# Altium PCB PCB-MB202-00.PcbDoc (part 1 of 7) (continued)
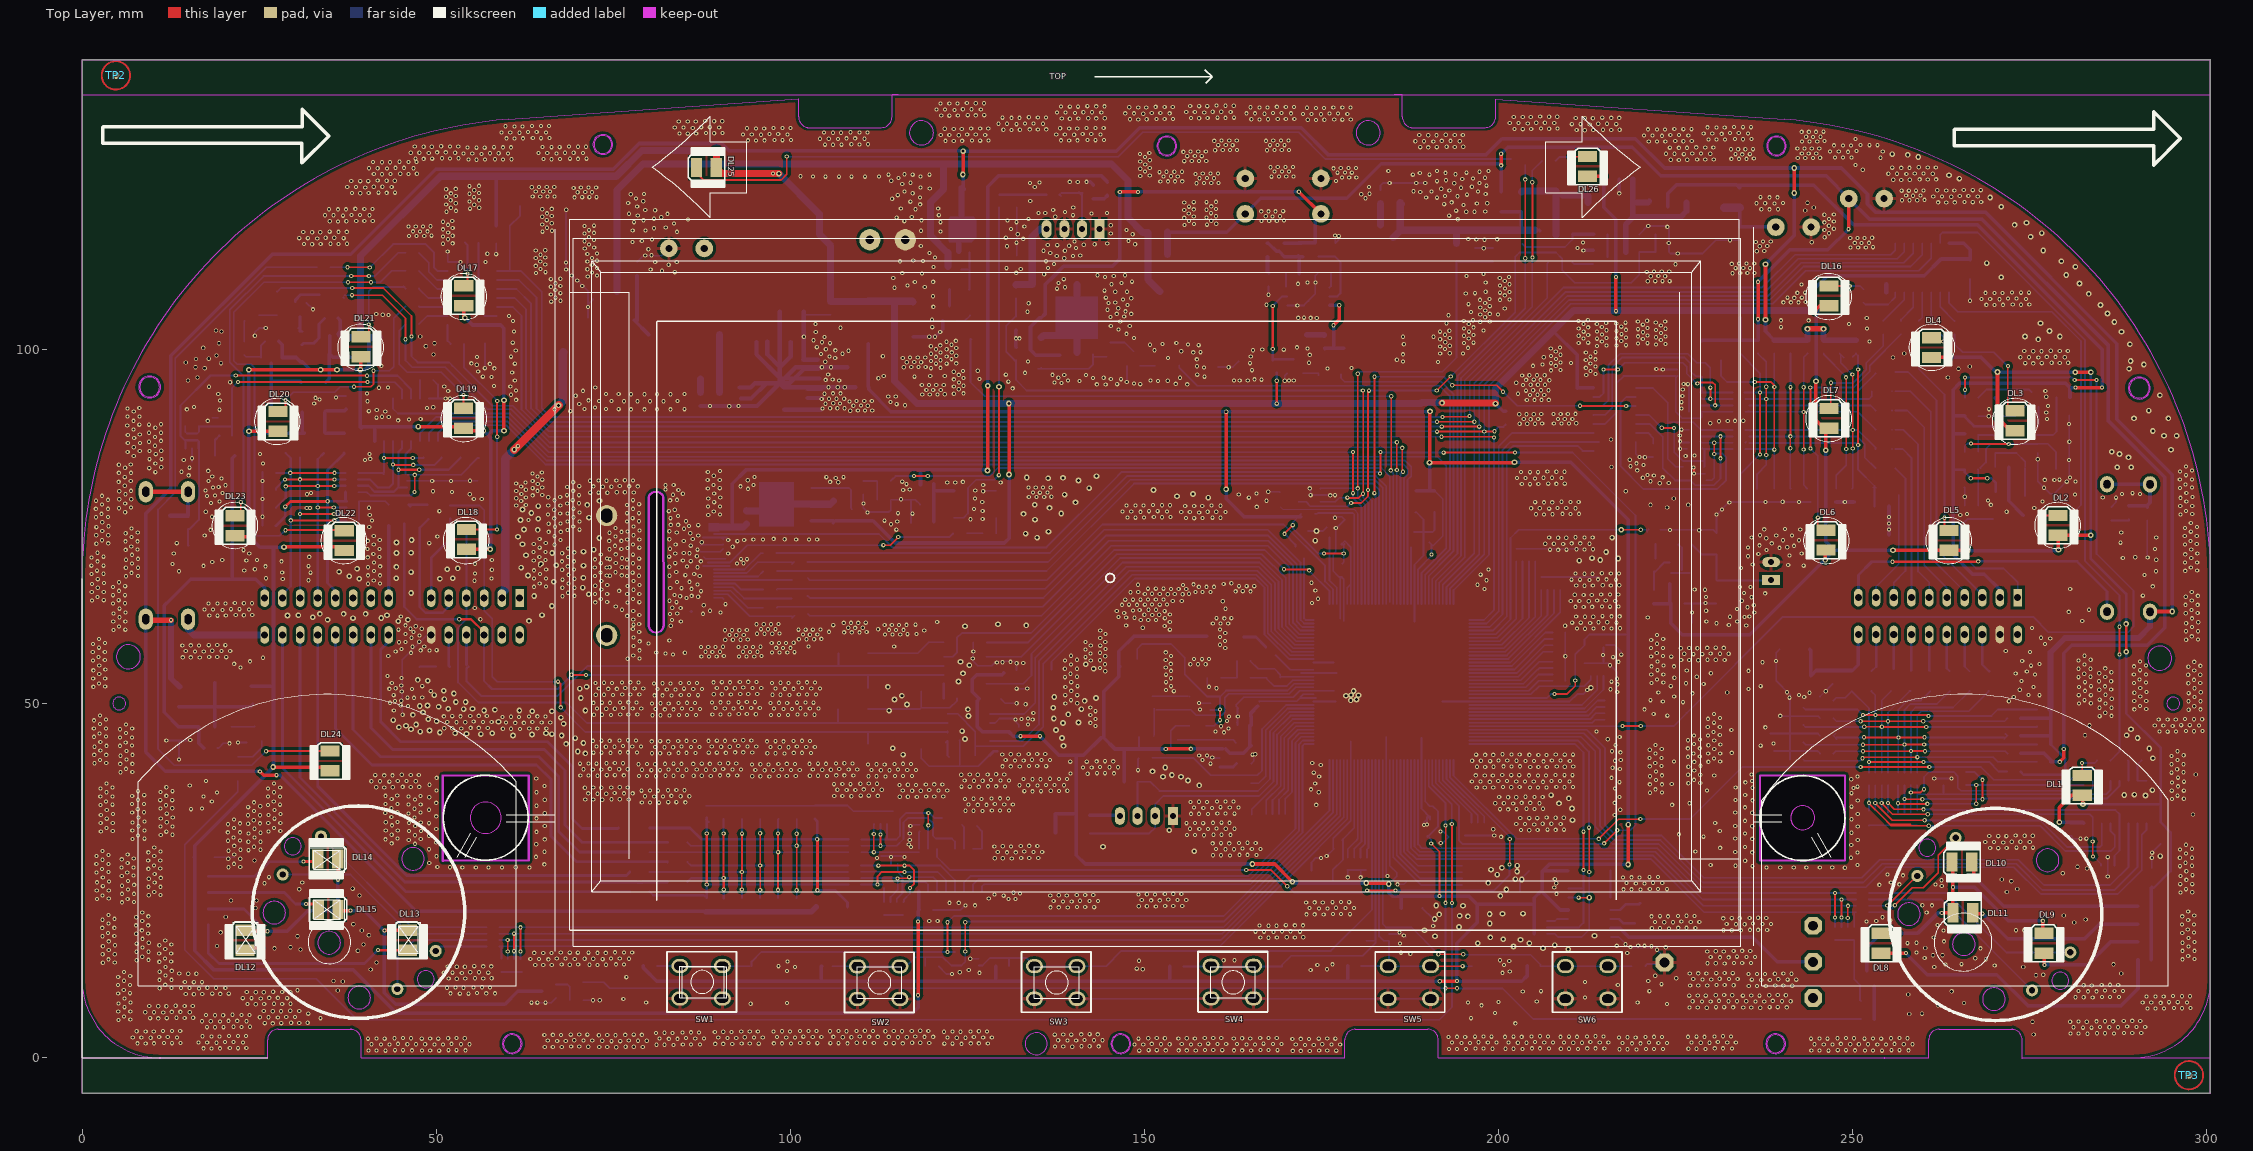
[diagram p0: Top Layer view]
## Components (designator, comment, footprint, x,y, rotation, side; value= is the part's Value field where it differs from the comment) (continued)
R10 "10K" cr0805 165.189,32.461 r90 bottom
R11 "10K" CR0805#1 79.286,13.005 r0 bottom
R12 "1" CR0805#1 48.908,77.978 r270 bottom
R13 "1" CR0805#1 50,55.27 r0 bottom
R14 "10K" cr0805 163.208,38.786 r0 bottom
R15 "10K" CR0805#1 104.432,12.929 r0 bottom
R16 "4.7K" CR1206 122.506,108.516 r0 bottom
R17 "0" CR1206 13.754,49.606 r90 bottom
R18 "472/NC" CR1206 24.143,49.657 r90 bottom
R19 "120" CR1206 34.176,88.24 r270 bottom
R20 "120" CR1206 31.407,88.214 r270 bottom
R21 "10K" cr0805 136.919,54.864 r270 bottom
R22 "1E-2W" R2512 212.687,120.802 r0 bottom
R23 "4.7K" CR0805#1 149.111,39.014 r180 bottom
R25 "1E-2W" R2512 140.526,109.22 r180 bottom
R27 "10K" CR0805#1 131.89,107.29 r90 bottom
R30 "120" CR1206 28.766,88.214 r270 bottom
R31 "10K" CR0805#1 205.982,12.979 r180 bottom
R33 "4.7K" CR0805#1 163.208,44.475 r0 bottom
R34 "4.7K" CR0805#1 156.807,46.903 r0 bottom
R35 "4.7K" CR0805#1 163.217,41.553 r0 bottom
R37 "4.7K" CR0805#1 151.143,42.316 r180 bottom
R40 "302/NC" CR0805#1 19.088,43.764 r180 bottom
R42 "10K" CR0805#1 180.632,12.979 r180 bottom
R43 "4.7K" CR0805#1 142.329,31.699 r180 bottom
R44 "47K" CR0805#1 234.176,99.492 r90 bottom
R45 "4.7K" CR0805#1 131.89,102.768 r90 bottom
R49 "NC" CR0805#1 201.054,91.338 r270 bottom
R51 "47K" CR0805#1 100.859,22.536 r270 bottom
R52 "47K" CR0805#1 98.301,22.536 r270 bottom
R53 "201" CR0805#1 167.17,58.039 r315 bottom
R54 "4.7K" CR0805#1 165.007,56.053 r180 bottom
R56 "10K" CR0805#1 129.02,12.954 r0 bottom
R57 "302" CR0805#1 27.775,101.194 r180 bottom
R58 "332" CR0805#1 149.267,45.313 r0 bottom
R59 "10K" CR1206 77.356,23.47 r0 bottom
R60 "10K" CR1206 82.69,24.867 r0 bottom
R61 "10K" CR1206 77.356,26.264 r0 bottom
R62 "0/NC" CR1206 203.285,119.518 r90 bottom
R63 "10K" CR1206 82.69,27.661 r0 bottom
R64 "10K" CR1206 77.356,29.058 r0 bottom
R65 "10K" CR1206 82.69,30.455 r0 bottom
R66 "120" CR0805#1 51.981,78.029 r270 bottom
R67 "4.7K" CR0805#1 224.119,113.815 r180 bottom
R68 "102" CR2010 75.781,32.487 r0 bottom
R69 "4.7K" CR0805#1 60.389,117.602 r180 bottom
R71 "47K" CR0805#1 236.7,99.471 r90 bottom
R72 "47K" CR0805#1 93.185,22.536 r270 bottom
R73 "10K" CR0805#1 155.537,12.903 r180 bottom
R75 "4.7K" CR0805#1 251.247,5.487 r0 bottom
R76 "4.7K" CR0805#1 70.755,10.686 r180 bottom
R77 "47K" CR0805#1 90.627,22.536 r270 bottom
R78 "4.7K" CR0805#1 253.137,8.017 r180 bottom
R79 "4.7K" CR0805#1 68.875,8.136 r0 bottom
R80 "241" R-3W#1 9.005,79.959 r270 bottom
R81 "302" CR0805#1 36.157,104.445 r180 bottom
R82 "47K" CR0805#1 88.069,22.516 r270 bottom
R83 "303" CR0805#1 14.974,76.581 r270 bottom
R84 "271" CR0805#1 31.052,100.711 r90 bottom
R85 "241" R-3W#1 14.974,61.951 r90 bottom
R86 "NC" CR1206 38.977,101.727 r270 bottom
R87 "10K" CR0805#1 47.714,95.631 r0 bottom
R88 "10K" CR0805#1 222.009,86.944 r270 bottom
R89 "10K" CR0805#1 288.962,42 r0 bottom
R90 "10K" CR0805#1 124.448,32.766 r0 bottom
R91 "47K" CR0805#1 246.114,99.466 r90 bottom
R92 "47K" CR0805#1 243.685,99.471 r90 bottom
R93 "10K" CR0805#1 272.072,93.243 r180 bottom
R94 "47K" CR0805#1 248.323,99.466 r90 bottom
R95 "4.7K" CR0805#1 14.999,70.485 r90 bottom
R96 "4.7K" CR0805#1 267.831,93.218 r180 bottom
R98 "47K" CR0805#1 280.759,93.315 r180 bottom
R99 "27K" CR0805#1 267.799,83.085 r180 bottom
R100 "4.7K" CR0805#1 278.809,90.805 r0 bottom
R101 "15K" CR0805#1 267.805,85.573 r180 bottom
R102 "10K" CR0805#1 203.391,114.986 r90 bottom
R103 "6.8K" CR0805#1 267.799,77.995 r180 bottom
R104 "10K" CR0805#1 219.929,113.805 r180 bottom
R105 "0" CR0805#1 213.424,116.307 r0 bottom
R106 "39K" CR0805#1 280.669,83.185 r180 bottom
R107 "10K" CR0805#1 265.926,88.062 r0 bottom
R108 "102" CR2010 108.09,21.311 r180 bottom
R109 "101" R-3W#2 292.062,81.001 r270 bottom
R110 "4.7K" CR0805#1 124.196,111.356 r180 bottom
R111 "101" R-3W#2 285.992,63.017 r90 bottom
R112 "47K" CR0805#1 250.66,99.466 r90 bottom
R113 "47K" CR0805#1 238.986,99.471 r90 bottom
R114 "150" CR0805#1 227.368,72.492 r180 bottom
R115 "4.7K" CR0805#1 221.984,64.16 r90 bottom
R116 "270" CR0805#1 221.984,70.561 r270 bottom
R119 "473/NC" CR0805#1 271.92,47.955 r0 bottom
R120 "473/NC" CR0805#1 276.111,46.787 r0 bottom
R121 "473/NC" CR0805#1 276.111,49.225 r0 bottom
R122 "473/NC" CR0805#1 271.869,40.437 r0 bottom
R123 "47K" CR0805#1 276.111,41.834 r0 bottom
R124 "47K" CR0805#1 271.92,43.002 r0 bottom
R125 "47K" CR0805#1 276.111,44.298 r0 bottom
R126 "47K" CR0805#1 271.92,45.491 r0 bottom
R127 "303" CR0805#1 289.116,77.8 r270 bottom
R128 "271" CR0805#1 22.898,101.168 r270 bottom
R129 "15K" CR0805#1 270.218,83.414 r0 bottom
R130 "10K" CR0805#1 168.339,96.774 r90 bottom
R132 "NC" CR1206 30.925,98.222 r270 bottom
R133 "NC" CR1206 106.109,75.59 r90 bottom
R134 "10K" CR0805#1 108.725,75.59 r90 bottom
R135 "0" CR0805#1 114.211,81.483 r180 bottom
R136 "NC" CR0805#1 114.211,78.816 r180 bottom
R137 "10K" CR0805#1 270.244,79.959 r0 bottom
R138 "0" CR0805#1 100.606,62.43 r0 bottom
R142 "10K" cr0805 172.657,70.841 r135 bottom
R143 "303" CR0805#1 19.368,87.859 r0 bottom
R144 "4.7K" CR0805#1 19.342,90.399 r0 bottom
R146 "10K" CR1206 21.222,85.065 r180 bottom
R148 "0" CR0805#1 96.218,63.671 r0 bottom
R149 "0" CR0805#1 100.566,64.963 r0 bottom
R150 "39K" CR0805#1 276.339,83.405 r180 bottom
R151 "120" CR0805#1 43.599,75.463 r0 bottom
R152 "0" CR0805#1 96.218,66.215 r0 bottom
R153 "0" CR0805#1 100.576,67.496 r0 bottom
R154 "0" CR0805#1 96.196,68.759 r0 bottom
R155 "0" CR0805#1 100.556,70.029 r0 bottom
R156 "0" CR0805#1 96.176,71.303 r0 bottom
R160 "10K" CR0805#1 194.12,112.497 r90 bottom
R161 "4.7K" CR0805#1 199.276,114.376 r270 bottom
R162 "0/NC" CR0805#1 175.425,100.203 r90 bottom
R163 "301K" CR0805#1 174.638,113.157 r90 bottom
R166 "47K" CR0805#1 241.272,99.471 r90 bottom
R168 "47K" CR0805#1 95.743,22.536 r270 bottom
R169 "0/NC" CR1206 135.471,104.521 r270 bottom
R171 "10K" CR0805#1 135.42,97.358 r90 bottom
R173 "4.7K" CR0805#1 286.591,77.794 r270 bottom
R174 "0" CR0805#1 145.225,99.136 r90 bottom
R176 "0/NC" CR1206 200.419,122.301 r270 bottom
R177 "4R7" CR1206 221.171,120.802 r0 bottom
R178 "0/NC" CR1206 234.125,120.066 r90 bottom
R179 "22K" CR0805#1 176.975,115.062 r270 bottom
R182 "10K" CR1206 256.832,96.876 r180 bottom
R183 "10K" CR1206 256.258,94.154 r180 bottom
R186 "10K" CR1206 256.258,91.432 r180 bottom
R187 "10K" CR1206 256.258,88.711 r180 bottom
R190 "10K" CR1206 256.258,85.989 r180 bottom
R191 "10K" CR1206 256.258,83.267 r180 bottom
R194 "301K" CR0805#1 172.25,115.062 r270 bottom
R195 "0" CR0805#1 171.931,110.754 r180 bottom
R196 "21.5K" CR0805#1 167.424,115.062 r270 bottom
R197 "0" CR0805#1 167.602,110.871 r270 bottom
R198 "10K" CR1206 256.258,80.546 r180 bottom
R199 "10K" CR1206 231.483,101.295 r270 bottom
R201 "10K" CR1206 249.949,54.6 r270 bottom
R203 "10K" CR1206 252.718,54.6 r270 bottom
R205 "10K" CR1206 255.486,54.6 r270 bottom
R206 "10K" CR1206 258.255,54.6 r270 bottom
R207 "10K" CR1206 261.023,54.6 r270 bottom
R208 "10K" CR1206 263.792,54.6 r270 bottom
R209 "10K" CR1206 266.561,54.6 r270 bottom
R210 "0" CR0805#1 138.087,121.895 r180 bottom
R211 "75" CR0805#1 132.017,122.047 r270 bottom
R214 "10K" CR1206 269.329,54.6 r270 bottom
R233 "75" CR0805#1 127.191,74.092 r0 bottom
RL1 "201" CR0805#1 292.265,13.868 r180 bottom
RL2 "201" CR0805#1 292.218,16.372 r180 bottom
RL3 "201" CR0805#1 292.218,21.405 r180 bottom
RL4 "201" CR0805#1 292.218,18.889 r180 bottom
RL5 "201" CR0805#1 15.919,21.042 r0 bottom
RL6 "201" CR0805#1 15.919,18.752 r0 bottom
RL7 "201" CR0805#1 15.919,25.662 r0 bottom
RL8 "201" CR0805#1 15.919,23.342 r0 bottom
RL9 "200" CR0805#1 206.21,126.721 r0 bottom
RL23 "200" CR0805#1 280.835,76.606 r180 bottom
RL24 "200" CR0805#1 264.452,104.064 r270 bottom
RL25 "200" CR0805#1 261.927,104.089 r270 bottom
RL26 "200" CR0805#1 259.409,104.089 r270 bottom
RL27 "200" CR0805#1 256.89,104.089 r270 bottom
RL28 "200" CR0805#1 254.372,104.089 r270 bottom
RL29 "200" CR0805#1 251.6,106.655 r90 bottom
RL30 "200" CR0805#1 286.474,41.986 r180 bottom
RL31 "200" CR0805#1 35.09,111.658 r180 bottom
RL32 "200" CR0805#1 47.578,113.705 r180 bottom
RL33 "200" CR0805#1 47.578,111.179 r180 bottom
RL34 "200" CR0805#1 47.578,108.654 r180 bottom
RL35 "200" CR0805#1 47.578,106.128 r180 bottom
RL36 "200" CR0805#1 47.578,103.603 r180 bottom
RL37 "200" CR0805#1 52.058,100.863 r0 bottom
RL38 "200" CR0805#1 56.122,115.037 r180 bottom
RL68 "200" CR0805#1 203.873,126.695 r180 bottom
RP1 "472*4" R4 216.802,50.47 r180 bottom
RP2 "472*4" R4 212.179,55.728 r270 bottom
RP3 "472*4" R4 206.902,20.225 r180 bottom
RP4 "472*4" R4 198.031,31.394 r90 bottom
RP5 "472*4" R4 259.195,33.122 r90 bottom
RP6 "303*4" R4 234.915,93.956 r180 bottom
RP7 "472*4" R4 181.471,26.518 r90 bottom
RP8 "303*4" R4 234.915,88.678 r180 bottom
RP9 "472*4" R4 226.965,91.296 r0 bottom
RP10 "472*4" R4 226.945,86.028 r0 bottom
RP11 "10*4" R4 58.966,18.44 r180 bottom
RP12 "10*4" R4 250.533,20.574 r0 bottom
RP13 "472*4" R4 196.736,27.127 r180 bottom
RP14 "472*4" R4 209.512,55.956 r180 bottom
RP15 "303*4" R4 252.363,40.308 r270 bottom
RP16 "472*4" R4 169.939,32.614 r90 bottom
RP17 "303*4" R4 256.503,40.308 r270 bottom
RP18 "472*4" R4 255.08,33.147 r90 bottom
RP21 "303*4" R4 110.02,27.178 r180 bottom
RP22 "303*4" R4 108.268,29.058 r0 bottom
RP23 "472*4" R4 113.272,21.996 r270 bottom
RP24 "472*4" R4 114.567,33.02 r90 bottom
RP25 "303*4" R4 39.002,82.601 r180 bottom
RP26 "103*4" R4 37.326,75.921 r0 bottom
RP27 "472*4" R4 209.487,60.071 r180 bottom
RP28 "472*4" R4 202.553,71.907 r270 bottom
RP30 "472*4" R4 206.083,67.92 r270 bottom
SW1 "SW" Switch-1 84.443,12.986 r180 top
SW2 "SW" Switch-1 109.512,12.929 r180 top
SW3 "SW" Switch-1 134.506,12.954 r180 top
SW4 "SW" Switch-1 159.449,13.005 r180 top
SW5 "SW" Switch-1 184.468,12.954 r180 top
SW6 "SW" Switch-1 209.487,12.954 r180 top
TP1 "TP" MARK 297.56,-2.45 r180 bottom
TP2 "TP" MARK 4.779,138.761 r0 top
TP3 "TP" MARK 297.56,-2.45 r0 top
TP4 "TP" MARK 4.779,138.761 r180 bottom
TP62 "" TP 197.015,116.886 r180 bottom
U1 "TJA1042T+118" SO-8 128.211,48.571 r180 bottom
U2 "TJA1042T+118" SO-8 127.689,56.638 r180 bottom
U3 "78M09/NC" DPAK 226.606,120.802 r90 bottom
U4 "LM2576D2T-005G" SOT-263-5 95.085,105.943 r90 bottom
U5 "HC4051" SO-16#1 41.364,93.116 r270 bottom
U6 "IMP706ESA/T" SO-8 161.097,44.901 r180 bottom
U7 "M41T00" SO-8 215.912,20.885 r180 bottom
U8 "AT24C02" SO-8 215.882,26.445 r180 bottom
U10 "MC9S12XHZ256" LQFP-144 193.687,42.093 r90 bottom locked
U11 "TC1047A" SOT23 172.149,76.454 r0 bottom
U12 "BTS4140" SOT-223#2 21.064,46.752 r180 bottom
U13 "DSO751S" SMD-CYC 158.337,63.633 r0 bottom
U14 "74HC595D" SO-16#2 259.245,111.582 r180 bottom
U17 "HC4051" SO-16#1 219.445,94.616 r180 bottom
U18 "HC4051" SO-16#1 282.689,39.144 r270 bottom
U19 "LM2904" SO-8 276.209,89.235 r180 bottom
U20 "HC4051" SO-16#1 118.199,29.54 r270 bottom
U21 "FMS6143" SO-8 123.127,76.276 r0 bottom
U22 "74HC595D" SO-16#2 55.106,107.95 r90 bottom
U300 "MP24943" SOIC8E 173.2,106.912 r0 bottom
UART "CON4" "DIP 1X4 2.5mm" 154.064,34.163 r180 bottom (schematic designator JV_COMM)
YC2 "32.768KHz" "SM CYC NX3215SA" 219.272,18.855 r90 bottom

## Footprints (in the part's own frame and the unit in brackets; to place one, negate y for a bottom-side part, rotate by r counter-clockwise, add the part's x,y. Pads: shape width x height; smd on the part's side, far side on the other; paste and mask are expansions set on the pad)
10uF/25V [mm]
  rect 1.6x2.6 smd: 1(0,0) 2(3,0)
  silkscreen extent -1.92,-1.8 4.47,1.83
"AMP DIP20" [mm]
  rect 1.2x2.5 hole 1: 1(0,0)
  oval 1.2x2.5 hole 1: 2(0,-5.2) 3(2.5,0) 4(2.5,-5.2) 5(5,0) 6(5,-5.2) 7(7.5,0) 8(7.5,-5.2) 9(10,0) 10(10,-5.2) 11(12.5,0) 12(12.5,-5.2) 13(15,0) 14(15,-5.2) 15(17.5,0) 16(17.5,-5.2) 17(20,0) 18(20,-5.2) 19(22.5,0) 20(22.5,-5.2)
  silkscreen extent -7.5,-8.15 29.96,8.85, body extent -7.52,-8.17 30,8.85, height 19.2
"AMP DIP28" [mm]
  rect 1.2x2.5 hole 1: 1(0.229,-8.85)
  oval 1.2x2.5 hole 1: 2(0.229,-14.05) 3(2.729,-8.85) 4(2.729,-14.05) 5(5.229,-8.85) 6(5.229,-14.05) 7(7.729,-8.85) 8(7.729,-14.05) 9(10.229,-8.85) 10(10.229,-14.05) 11(12.729,-8.85) 12(12.729,-14.05) 13(18.729,-8.85) 14(18.729,-14.05) 15(21.229,-8.85) 16(21.229,-14.05) 17(23.729,-8.85) 18(23.729,-14.05) 19(26.229,-8.85) 20(26.229,-14.05) 21(28.729,-8.85) 22(28.729,-14.05) 23(31.229,-8.85) 24(31.229,-14.05) 25(33.729,-8.85) 26(33.729,-14.05) 27(36.229,-8.85) 28(36.229,-14.05)
  silkscreen extent -7.27,-17 43.73,0, body extent -7.29,-17.02 43.76,0.01, height 19.2
"Battery 3" [mm]
  oct 2.5x2.5 hole 1.4: 1(0,0) 2(21,-0.1) 3(0,5.1) 4(0,-5.1)
  silkscreen extent -3.88,-10.55 21,10.45, body extent -1.51,-10.25 22.46,10.32, height 8.6
C4 [mm]
  rect 1.1x0.5 smd: 1(0,0) 2(0,-0.9) 3(0,-1.8) 4(0,-2.7) 5(1.8,-2.7) 6(1.8,-1.8) 7(1.8,-0.9) 8(1.8,0)
  silkscreen extent -0.95,-3.2 2.65,0.7, body extent -0.27,-3.09 2.05,0.61, height 0.9
CE1206 [mm]
  rect 1.8x1.6 smd: 1(0,0) 2(3,0)
  silkscreen extent -1.7,-1.27 4.5,1.27, body extent -0.43,-0.8 3.4,0.8, height 1.8
CR0805#1 [mm]
  rect 1.3x1.3 smd: 1(0,0) 2(1.9,0)
  silkscreen extent -1.05,-1.15 2.95,1.15, body extent -0.18,-0.75 2.1,0.75, height 1
CR0805#2 [mm]
  rect 1.3x1.3 smd: 1(0,0) 2(2.1,0)
  silkscreen extent -1.05,-1.15 3.15,1.15, body extent -0.08,-0.75 2.2,0.75, height 1
cr0805 [mm]
  rect 1.3x1.3 smd: 1(0,0) 2(1.9,0)
  silkscreen extent -1.05,-1.15 2.95,1.15, body extent -0.18,-0.75 2.1,0.75, height 1
CR1206 [mm]
  rect 1.6x1.8 smd: 1(0,0) 2(2.8,0)
  silkscreen extent -1.2,-1.3 4,1.3, body extent -0.81,-1.23 3.61,1.22, height 1.4
CR2010 [mm]
  rect 1.8x2.7 smd: 1(0,0) 2(4.4,0)
  silkscreen extent -1.3,-1.75 5.7,1.75, body extent -0.18,-1.35 4.57,1.35, height 1.4
D-17 [mm]
  round 3 hole 1.6 slot 2 at 0 deg: 1(8.468,-0.065) 2(-8.442,-0.065)
  silkscreen extent -9.06,-4.51 9.08,4.36
"DIP 1X2 2.5mm" [mm]
  rect 1.4x2.5 hole 0.85: 1(0,0)
  oval 1.4x2.5 hole 0.85: 2(2.5,0)
  silkscreen extent -2.5,-2.35 5,3.35, body extent -2.62,-2.46 5.11,3.45, height 7
"DIP 1X4 2.5mm" [mm]
  rect 1.4x2.5 hole 0.85: 1(0,0)
  oval 1.4x2.5 hole 0.85: 2(2.5,0) 3(5,0) 4(7.5,0)
  silkscreen extent -2.5,-2.35 10,3.35, body extent -2.62,-2.46 10,3.45, height 7
"DIP 2X3 2.54mm" [mm]
  rrect50% 5x1.6 smd: 1(-1.75,0) 2(-1.75,-2.5) 3(-1.75,-5) 4(4.25,-5) 5(4.25,-2.5) 6(4.25,0)
  silkscreen extent -1.37,-6.1 3.89,1.3, body extent -1.2,-6.1 3.7,1.3, height 8.5
DPAK [mm]
  rect 3x1.6 smd: 1(0,0) 3(0,4.6)
  rect 6.2x5.8 smd: 2(-7.18,2.3)
  silkscreen extent -11.18,-1.12 -3.2,5.78, body extent -10.19,-0.94 -0.28,5.59, height 2.2
FPC-22P [mm]
  rect 0.25x1.6 smd: 1(-5.25,1.638) 10(-0.75,1.638) 20(4.25,1.638)
  oval 0.25x1.6 smd: 2(-4.75,1.638) 3(-4.25,1.638) 4(-3.75,1.638) 5(-3.25,1.638) 6(-2.75,1.638) 7(-2.25,1.638) 8(-1.75,1.638) 9(-1.25,1.638) 11(-0.25,1.638) 12(0.25,1.638) 13(0.75,1.638) 14(1.25,1.638) 15(1.75,1.638) 16(2.25,1.638) 17(2.75,1.638) 18(3.25,1.638) 19(3.75,1.638) 21(4.75,1.638) 22(5.25,1.638)
  rect 2x1.45 smd: 23(7.175,-1.637) 24(-7.175,-1.637)
  silkscreen extent -7.75,-5.11 7.75,1.94, body extent -7.96,-2.14 5.38,1.66, height 1
Ind-R13-7-100 [mm]
  rrect50% 6x12.7 smd: 1(0,0) 2(10,0)
  silkscreen extent -1.5,-6.5 11.5,6.5, body extent -1.57,-6.63 11.56,6.62, height 7
LED1210 [mm]
  rect 1.6x2.7 smd: 1(2.8,0) 2(0,0)
  silkscreen extent -1.2,-2.91 4,2.9, body extent -0.32,-1.65 3.14,1.65, height 0.65
LQFP-144 [mm]
  rect 2x0.25 smd: 1(0,0) 2(0,-0.5) 3(0,-1) 4(0,-1.5) 5(0,-2) 6(0,-2.5) 7(0,-3) 8(0,-3.5) 9(0,-4) 10(0,-4.5) 11(0,-5) 12(0,-5.5) 13(0,-6) 14(0,-6.5) 15(0,-7) 16(0,-7.5) 17(0,-8) 18(0,-8.5) 19(0,-9) 20(0,-9.5) 21(0,-10) 22(0,-10.5) 23(0,-11) 24(0,-11.5) 25(0,-12) 26(0,-12.5) 27(0,-13) 28(0,-13.5) 29(0,-14) 30(0,-14.5) 31(0,-15) 32(0,-15.5) 33(0,-16) 34(0,-16.5) 35(0,-17) 36(0,-17.5) 73(22,-17.5) 74(22,-17) 75(22,-16.5) 76(22,-16) 77(22,-15.5) 78(22,-15) 79(22,-14.5) 80(22,-14) 81(22,-13.5) 82(22,-13) 83(22,-12.5) 84(22,-12) 85(22,-11.5) 86(22,-11) 87(22,-10.5) 88(22,-10) 89(22,-9.5) 90(22,-9) 91(22,-8.5) 92(22,-8) 93(22,-7.5) 94(22,-7) 95(22,-6.5) 96(22,-6) 97(22,-5.5) 98(22,-5) 99(22,-4.5) 100(22,-4) 101(22,-3.5) 102(22,-3) 103(22,-2.5) 104(22,-2) 105(22,-1.5) 106(22,-1) 107(22,-0.5) 108(22,0)
  rect 0.25x2 smd: 37(2.25,-19.75) 38(2.75,-19.75) 39(3.25,-19.75) 40(3.75,-19.75) 41(4.25,-19.75) 42(4.75,-19.75) 43(5.25,-19.75) 44(5.75,-19.75) 45(6.25,-19.75) 46(6.75,-19.75) 47(7.25,-19.75) 48(7.75,-19.75) 49(8.25,-19.75) 50(8.75,-19.75) 51(9.25,-19.75) 52(9.75,-19.75) 53(10.25,-19.75) 54(10.75,-19.75) 55(11.25,-19.75) 56(11.75,-19.75) 57(12.25,-19.75) 58(12.75,-19.75) 59(13.25,-19.75) 60(13.75,-19.75) 61(14.25,-19.75) 62(14.75,-19.75) 63(15.25,-19.75) 64(15.75,-19.75) 65(16.25,-19.75) 66(16.75,-19.75) 67(17.25,-19.75) 68(17.75,-19.75) 69(18.25,-19.75) 70(18.75,-19.75) 71(19.25,-19.75) 72(19.75,-19.75) 109(19.75,2.25) 110(19.25,2.25) 111(18.75,2.25) 112(18.25,2.25) 113(17.75,2.25) 114(17.25,2.25) 115(16.75,2.25) 116(16.25,2.25) 117(15.75,2.25) 118(15.25,2.25) 119(14.75,2.25) 120(14.25,2.25) 121(13.75,2.25) 122(13.25,2.25) 123(12.75,2.25) 124(12.25,2.25) 125(11.75,2.25) 126(11.25,2.25) 127(10.75,2.25) 128(10.25,2.25) 129(9.75,2.25) 130(9.25,2.25) 131(8.75,2.25) 132(8.25,2.25) 133(7.75,2.25) 134(7.25,2.25) 135(6.75,2.25) 136(6.25,2.25) 137(5.75,2.25) 138(5.25,2.25) 139(4.75,2.25) 140(4.25,2.25) 141(3.75,2.25) 142(3.25,2.25) 143(2.75,2.25) 144(2.25,2.25)
  silkscreen extent 0.53,-18.7 21,1.66, body extent -0.15,-19.9 22.15,2.4, height 1.8
MARK [mm]
  round 1 smd: 1(0,0)
  Top Layer circle w0.254: c0.003,0 r2
METER2 [mm]
  round 1.7 hole 0.9: 1(1.829,3.797) 2(1.854,-3.823) 3(24.74,-3.848) 4(24.714,3.772)
  Keep-Out Layer circle w0.127: c4.797,-8.506 r1.6
  Keep-Out Layer circle w0.127: c21.777,-8.506 r1.6
  Keep-Out Layer circle w0.127: c13.287,10.734 r1.6
  Keep-Out Layer circle w0.127: c13.287,-6.016 r1.6
  Keep-Out Layer circle w0.127: c26.564,-0.025 r1.2
  Keep-Out Layer circle w0.127: c0.004,-0.025 r1.2
  silkscreen extent -2.56,-15.01 29.13,14.98, body extent -1.68,-15 28.34,14.27, height 9.3
R4 [mm] "排阻"
  rect 1.1x0.5 smd: 1(0,0) 2(0,-0.9) 3(0,-1.8) 4(0,-2.7) 5(1.8,-2.7) 6(1.8,-1.8) 7(1.8,-0.9) 8(1.8,0)
  silkscreen extent -0.95,-3.2 2.65,0.7, body extent -0.27,-3.09 2.05,0.61, height 0.55
R2512 [mm]
  rect 1.2x3.5 smd: 1(0.025,0) 2(6.325,0)
  silkscreen extent -0.74,-1.8 7.09,1.8
R-3W#1 [mm]
  oval 3x2 hole 1 slot 1.4 at 0 deg: 1(0,0) 2(18,0)
  silkscreen extent 0,-2.85 18,2.85, body extent -0.5,-2.84 18.43,2.84, height 7.84
R-3W#2 [mm]
  oval 2.3x2 hole 1 slot 1.2 at 0 deg: 1(0,0) 2(18,0)
  silkscreen extent 0,-2.85 18,2.85, body extent -0.88,-2.86 18.82,2.82, height 7.84
RB5-1 [mm]
  round 2.5 hole 1: 1(0,0) 2(5,0)
  silkscreen extent -2.58,-5.2 7.8,5.18, body extent -2.6,-5.2 7.9,5.2, height 17.1
RB10 [mm]
  round 2.5 hole 1: 1(-3.023,0.051) 2(1.977,0.051)
  silkscreen extent -5.6,-5.15 4.76,5.23, body extent -5.61,-5.15 4.77,5.24, height 12.5
RB12.5 [mm]
  round 3 hole 1.2: 1(-0.051,-0.025) 2(4.949,-0.025)
  silkscreen extent -3.69,-6.16 8.59,6.17, body extent -3.7,-6.17 8.6,6.12, height 20
"SM CYC NX3215SA" [mm]
  rect 1.6x1.9 smd: 1(0,0) 2(2.854,0)
  silkscreen extent -0.93,-1.13 3.8,1.12, body extent -0.23,-0.81 3.02,0.81, height 0.9
SMA [mm]
  rect 1.8x2 smd: 1(0,0) 2(-4.241,0)
  silkscreen extent -4.78,-1.48 2.08,1.48, body extent -4.66,-1.3 0.37,1.29, height 2.95
SMB-D [mm]
  rect 3x2 smd: 1(-0.005,0.044) 2(-0.005,4.942)
  silkscreen extent -1.97,-0.3 1.96,5.36, body extent -1.83,-0.25 1.83,5.25, height 2.55
SMC [mm]
  rect 2.5x4 smd: 1(0,0) 2(-7.187,-0.025)
  silkscreen extent -8.04,-3.15 2.71,3.22, body extent -7.52,-3.08 0.53,3.1, height 2.55
SMC-D [mm]
  rect 2.5x4 smd: 1(0,0) 2(-7.187,-0.025)
  silkscreen extent -8.04,-3.15 0.56,3.22, body extent -7.52,-3.08 0.53,3.1, height 2.55
SMD-CYC [mm]
  rrect50% 2.2x2.2 smd: 1(0,-0.025)
  rect 2.2x2.2 smd: 2(5.75,-0.025) 3(5.725,4.2) 4(0,4.2)
  silkscreen extent -2.18,-1.38 7.15,5.65, body extent -1.1,-1.18 6.85,5.37, height 1.6
SMT3 [mm]
  rect 1x1 smd: 1(1.905,0) 2(0,0)
  rect 1x1.3 smd: 3(0.965,2.032)
  silkscreen extent -0.51,-0.13 2.41,2.16, body extent -0.51,-0.33 2.44,2.44, height 1.1
SO-8 [mm]
  rect 1.8x0.55 smd: 1(0,0)
  oval 1.8x0.55 smd: 2(0,-1.27) 3(0,-2.54) 4(0,-3.81) 5(6,-3.81) 6(6,-2.54) 7(6,-1.27) 8(6,0)
  silkscreen extent 1.12,-4.45 4.87,0.63, body extent 1.02,-4.55 4.97,0.72, height 1.4
SO-16#1 [mm]
  rect 1.8x0.5 smd: 1(0,0)
  oval 1.8x0.5 smd: 2(0,-1.27) 3(0,-2.54) 4(0,-3.81) 5(0,-5.08) 6(0,-6.35) 7(0,-7.62) 8(0,-8.89) 9(6,-8.89) 10(6,-7.62) 11(6,-6.35) 12(6,-5.08) 13(6,-3.81) 14(6,-2.54) 15(6,-1.27) 16(6,0)
  silkscreen extent 1.12,-9.53 4.87,0.63, body extent 1.02,-9.62 4.97,0.75, height 1.4
SO-16#2 [mm] "Small Outline; 16 Leads; Body Width 5.6 mm; Pitch 1.27 mm"
  rect 0.6x1.65 smd: 1(-4.445,-3.475) 2(-3.175,-3.475) 3(-1.905,-3.475) 4(-0.635,-3.475) 5(0.635,-3.475) 6(1.905,-3.475) 7(3.175,-3.475) 8(4.445,-3.475) 9(4.445,3.475) 10(3.175,3.475) 11(1.905,3.475) 12(0.635,3.475) 13(-0.635,3.475) 14(-1.905,3.475) 15(-3.175,3.475) 16(-4.445,3.475)
  silkscreen extent -5.65,-3.6 5.65,2.25
SOD-80C#1 [mm]
  rect 1.2x1.6 smd: 1(3.4,0) 2(0,0)
  silkscreen extent -1.13,-1.2 5.4,1.2, body extent 0,-0.8 3.4,0.8, height 1.55
SOD-80C#2 [mm]
  rect 1.2x1.6 smd: 1(0,0) 2(3.4,0)
  silkscreen extent -1.12,-1.2 5.4,1.2, body extent 0,-0.8 3.4,0.8, height 1.55
SOIC8E [mm]
  rect 1.8x0.55 smd: 1(-3,1.905)
  oval 1.8x0.55 smd: 2(-3,0.635) 3(-3,-0.635) 4(-3,-1.905) 5(3,-1.905) 6(3,-0.635) 7(3,0.635) 8(3,1.905)
  rect 2.5x3.3 smd: 2(0,0)
  silkscreen extent -1.88,-2.54 1.88,2.54, body extent -1.97,-2.65 1.97,2.63, height 1.4
SOT23 [mm]
  rect 1x1 smd: 1(0,0) 2(1.905,0)
  rect 1x1.3 smd: 3(0.965,2.032)
  silkscreen extent -0.51,-0.13 2.41,2.16, body extent -0.51,-0.33 2.44,2.44, height 1.1
SOT89#1 [mm]
  rect 0.7x1.35 smd: 1(0,0) 3(3,0)
  rect 0.7x1.8 smd: 2(1.5,0.225)
  oct 1.9x3.3 smd: 2(1.5,2.775)
  silkscreen extent -1,-0.81 4,4.57, body extent -0.75,-0.07 3.75,3.88, height 1.5
SOT89#2 [mm]
  rect 0.7x1.35 smd: 1(3,0) 3(0,0)
  rect 0.7x1.8 smd: 2(1.5,0.225)
  oct 1.9x3.3 smd: 2(1.5,2.775)
  silkscreen extent -1,-0.81 4,4.57, body extent -0.75,-0.07 3.75,3.88, height 1.5
SOT-23 [mm]
  rect 1x1 smd: 1(0,0) 3(1.905,0)
  rect 1x1.3 smd: 2(0.965,2.032)
  silkscreen extent -0.51,-0.13 2.41,2.16, body extent -0.62,-0.28 2.5,2.37, height 0.5
SOT-223#1 [mm]
  rect 1.1x2.15 smd: 1(0,0) 2(2.3,0) 3(4.6,0)
  rect 3.5x2.15 smd: 2(2.3,6.2)
  silkscreen extent -1.05,-1.75 5.65,4.72
SOT-223#2 [mm]
  rect 1.1x2.15 smd: 1(0,0) 2(2.3,0) 3(4.6,0)
  rect 3.5x2.15 smd: 4(2.3,6.2)
  silkscreen extent -1.05,-1.75 5.65,4.72
SOT-263-5 [mm]
  rect 4.5x1 smd: 1(0,0) 2(0,1.7) 3(0,3.4) 4(0,5.1) 5(0,6.8)
  rect 9x9 smd: 3(-10.1,3.4)
  silkscreen extent -15,-1.7 -4,8.6, body extent -13.77,-1.63 0,8.55, height 4.8
SOT-457 [mm]
  rect 0.5x1.27 smd: 1(0.012,0.006) 2(0.962,0.006) 3(1.912,0.006) 4(1.912,3.156) 5(0.962,3.156) 6(-0.013,3.156)
  silkscreen extent -0.64,0.76 2.59,2.43, body extent -0.63,0 2.58,3.2, height 0.5
SS0603 [mm]
  rect 2x2.5 smd: 1(-3,-0.127) 2(3,-0.127)
  silkscreen extent -3.25,-3.38 3.25,3.12, body extent -3.25,-3.38 3.25,3.12, height 3.2
Switch-1 [mm]
  oval 2.4x2 hole 1.2 slot 1.6 at 0 deg: 1(-6,0) 1(0,0) 2(-6,4.6) 2(0,4.6)
  silkscreen extent -8,-2 1.83,6.5, body extent -7.01,-1.01 1.01,5.61, height 7
TP [mm]
  round 1 smd: 1(0,0)

## Part data
BT1: library part BATTERY, "Battery"
C1 C87 C89 C90 C94 C201 C205: library part CAP, "贴片电容"
C2 C3 C4 C5 C6 C7 C8 C9 C10 C11 C12 C13 C14 C15 C16 C17 C18 C19 C20 C21 C23 C25 C26 C27 C28 C29 C30 C31 C32 C33 C34 C35 C36 C37 C38 C39 C40 C41 C42 C43 C44 C45 C46 C47 C48 C49 C50 C51 C52 C53 C54 C55 C56 C57 C58 C59 C60 C61 C62 C63 C64 C65 C66 C68 C69 C70 C71 C72 C73 C74 C76 C77 C79 C80 C82 C83 C84 C85 C88 C91 C92 C93 C98 C99 C100 C101 C102 C103 C105 C107 C108 C109 C110 C208 C300 CE1 CE2 CE4 CE5: library part CAP, "Capacitor"
CP1 CP5 CP7 CP15 CP19 CP303: library part ELECTRO1, "电解电容"
CP2 CP3 CP4 CP6 CP8 CP10 CP11 CP12 CP16 CP17 CP18 CP22 CP23 CP24 CP25 CP26 CP200: library part "CAPACITOR POL", "Capacitor"
CP13 CP14: library part RC_ARRAY
D2 D6 D10 D25 D32 D39 D40 D42: library part TVS
D3 D4 D7 D11 D12 D13 D14 D15 D16 D17 D21 D22 D26 D33 D43: library part DIODE, "二极管"
D18 D20 D23 D35 D37 D41 DW1 DW300: library part DW, "稳压二极管"
D19: library part GN1J, "二极管"
D201: library part BAV23S, "双二极管"
DL1 DL2 DL3 DL4 DL5 DL6 DL7 DL16 DL17 DL18 DL19 DL20 DL21 DL22 DL23 DL24 DL25 DL26: library part DOS, "贴片二极管"
DL8 DL9 DL10 DL11 DL12 DL13 DL14 DL15: "贴片LED"
DZ4 DZ5 DZ6 DZ7 DZ8 DZ9 DZ10 DZ11 DZ12 DZ13 DZ14 DZ15: library part BZA456G, "二极管排"
J1 JV01 UART: "Connector"
J3: "连接器-2PIN"
L1 L2 L4 L302: library part L, "电感"
L3: library part L, "SS0603220ML"
Q2 Q3 Q13 Q16: "NPN"
Q5: library part NPN1, "贴片三极管"
Q8 Q26: library part MOS-P, "MOS"
Q9 Q20 Q22 Q27: library part DTC143, "NPN"
Q11 Q12: "PNP   三极管"
Q14 Q17 Q25: library part PNP1, "贴片三极管"
Q19: library part BCX53
Q21: "MOS"
Q39: library part BSP631, "PNP三极管"
R1 R2 R3 R4 R5 R6 R7 R8 R9 R10 R11 R12 R13 R14 R15 R16 R17 R18 R19 R20 R21 R23 R30 R31 R33 R34 R35 R37 R40 R42 R43 R44 R49 R51 R52 R53 R54 R56 R57 R58 R59 R60 R61 R63 R64 R65 R66 R68 R69 R71 R72 R73 R75 R76 R77 R78 R79 R80 R81 R82 R83 R84 R85 R86 R87 R88 R89 R90 R91 R92 R93 R94 R95 R96 R98 R99 R100 R101 R103 R106 R107 R108 R109 R110 R111 R112 R113 R114 R115 R116 R119 R120 R121 R122 R123 R124 R125 R126 R127 R128 R129 R132 R133 R134 R135 R136 R137 R142 R143 R144 R146 R150 R151 R166 R168 R173 R182 R183 R186 R187 R190 R191 R198 R199 R201 R203 R205 R206 R207 R208 R209 R210 R211 R214 R233 RL1 RL2 RL3 RL4 RL5 RL6 RL7 RL8 RL9 RL23 RL24 RL25 RL26 RL27 RL28 RL29 RL30 RL31 RL32 RL33 RL34 RL35 RL36 RL37 RL38 RL68: library part RES, "贴片电阻"
R22 R25 R27 R45 R62 R67 R102 R104 R105 R130 R138 R148 R149 R152 R153 R154 R155 R156 R160 R161 R162 R163 R169 R171 R174 R176 R177 R178 R179 R194 R195 R196 R197: library part "Resister mini", "贴片电阻"
RP1 RP2 RP4 RP6 RP7 RP8 RP13 RP14 RP15 RP16 RP17 RP21 RP22 RP27 RP28 RP30: library part R_LINE4, "贴片排阻"
RP3 RP25: library part R_ARRAY
RP5 RP9 RP10 RP18 RP23 RP24: library part RN, "排阻"
RP11 RP12: library part R_PAI
RP26: library part R_LINE4, "排阻"
SW1 SW2 SW3 SW4 SW5 SW6: library part SW-PB
TP62: library part TP
U1 U2: library part SN65HVD251
U3: library part 78M12, "IC-三端稳压"
U4: library part LDO_1, "DC/DC"
U5 U17 U18 U20: "IC-8路模拟开关集成快"
U6: library part IMP706
U7 U8: "IC"
U11: library part DTC143
U12: "IC-单通道功率开关"
U13: library part POW_CRY
U19: "IC-双路运放"
U21: "IC-视频滤波"
U300: "IC-CAN DRIVER"
YC2: library part CRYSTAL0

## Free pads (board coordinates)
  round 1 smd far side: 0(173.557,41.653) 0(196.357,64.303)

## Via types
v1: diameter 0.6, hole 0.3, Top Layer to Bottom Layer, 5795 vias
v2: diameter 0.8, hole 0.4, Top Layer to Bottom Layer, 342 vias
v3: diameter 0.6, hole 0.4, Top Layer to Bottom Layer, 92 vias
v4: diameter 0.6, hole 0.3, Top Layer to Bottom Layer, tented both sides, 20 vias

## Nets (pads, with @x,y where several pads share a name; then routed paths per layer and width w, separated by ;. In a path a pad name is that pad's centre, name@x,y a point inside that pad or via, vN(x,y) a via of type N, cw(c..) or ccw(c..) an arc to the next point about the centre after c; other vN are vias at no path point)
4051_MR: C110.1 D43.1 R69.1 U14.10 U22.10 | length 239.4
  Top Layer w0.25: v1@191.961,90.551 195.872,90.551 v1@195.949,90.475
  Bottom Layer w0.25: U22.10@58.581,111.125 60.389,111.125 ; D43.1@61.858,120.32 61.858,118.945 60.414,117.5 60.389,117.5 60.389,114.986 60.389,111.125 ; v1(192.139,90.526) 192.128,90.515 66.165,90.515 64.935,91.745 64.935,108.229 62.04,111.125 60.389,111.125 ; v1@195.923,90.5 195.974,90.551 195.974,95.529 209.258,108.814 237.3,108.814 241.923,113.436 255.435,113.436 256.07,114.071 U14.10@256.07,115.057
  other v1: 195.949,90.653